# KiCad board omodri_sa_v2_laas.kicad_pcb (continued)
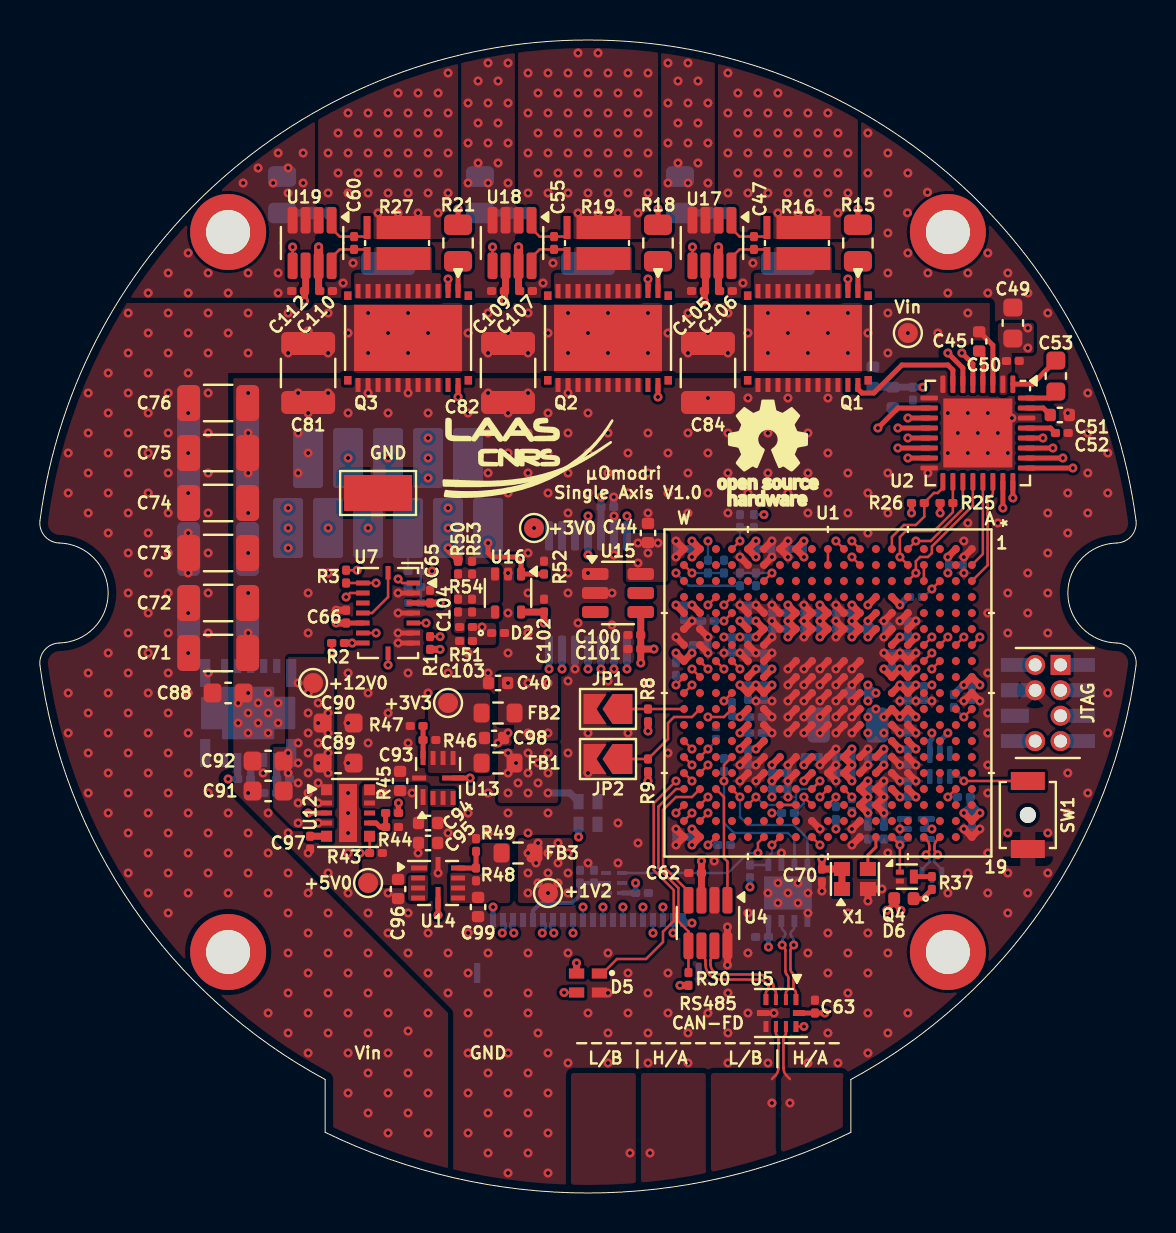
[diagram p0: board, top side]
## Routing (per net, layer and track width the routed paths; a pad name or vN(x,y) marks a point on that pad's centre or on a via; arc(x,y) is an arc through that point) (continued)
VPOWER: length 2.9
  Top w0.25: U2.3 47.66,42.39 46.99,43.06 C45.1
  vias: v1(1.41,37) v1(1.41,35) v1(1.41,25) v1(1.41,23) v1(2.41,40) v1(2.41,38) v1(2.41,36) v1(2.41,34) v1(2.41,26) v1(2.41,24) v1(2.41,22) v1(2.41,20) v1(3.41,41) v1(3.41,39) v1(3.41,37) v1(3.41,35) v1(3.41,33) v1(3.41,27) v1(3.41,25) v1(3.41,23) v1(3.41,21) v1(3.41,19) v1(4.41,44) v1(4.41,42) v1(4.41,40) v1(4.41,38) v1(4.41,36) v1(4.41,34) v1(4.41,32) v1(4.41,30) v1(4.41,28) v1(4.41,26) v1(4.41,24) v1(4.41,22) v1(4.41,20) v1(4.41,18) v1(4.41,16) v1(5.41,43) v1(5.41,41) v1(5.41,39) v1(5.41,37) v1(5.41,35) v1(5.41,33) v1(5.41,31) v1(5.41,29) v1(5.41,27) v1(5.41,25) v1(5.41,23) v1(5.41,21) v1(5.41,19) v1(5.41,17) v1(5.41,15) v1(6.41,44) v1(6.41,42) v1(6.41,40) v1(6.41,38) v1(6.41,36) v1(6.41,34) v1(6.41,32) v1(6.41,30) v1(6.41,28) v1(6.41,26) v1(6.41,24) v1(6.41,22) v1(6.41,20) v1(6.41,18) v1(6.41,16) v1(6.41,14) v1(7.41,43) v1(7.41,41) v1(7.41,39) v1(7.41,37) v1(7.41,35) v1(7.41,33) v1(7.41,31) v1(7.41,29) v1(7.41,27) v1(7.41,25) v1(7.41,23) v1(7.41,21) v1(7.41,19) v1(7.41,17) v1(7.41,15) v1(8.41,44) v1(8.41,42) v1(8.41,40) v1(8.41,38) v1(8.41,36) v1(8.41,34) v1(8.41,32) v1(8.41,30) v1(8.41,28) v1(8.41,26) v1(8.41,20) v1(8.41,18) v1(8.41,16) v1(9.41,43) v1(9.41,19) v1(9.41,17) v1(9.41,15) v1(10.41,44) v1(10.41,42) v1(10.41,18) v1(10.41,16) v1(11.41,17) v1(11.41,15) v1(11.41,9) v1(12.41,44) v1(12.41,42) v1(12.41,16) v1(12.41,14) v1(12.41,12) v1(12.41,10) v1(12.41,8) v1(13.41,43.1) v1(13.41,15) v1(13.41,13) v1(13.41,11) v1(13.41,9) v1(13.41,7) v1(14.41,44) v1(14.41,42) v1(14.41,14) v1(14.41,12) v1(14.41,10) v1(14.41,8) v1(15.41,43) v1(15.41,13) v1(15.41,11) v1(15.41,9) v1(15.41,7) v1(15.41,5) v1(16.41,44) v1(16.41,42) v1(16.41,12) v1(16.41,10) v1(16.41,8) v1(16.41,6) v1(16.41,4) v1(17.41,43) v1(17.41,11) v1(17.41,9) v1(17.41,7) v1(17.41,5) v1(17.41,3) v1(18.41,44) v1(18.41,42) v1(18.41,8.1) v1(18.41,6) v1(18.41,4) v1(19.41,43) v1(19.41,9) v1(19.41,7) v1(19.41,5) v1(19.41,3) v1(21.41,43) v1(22.41,44) v1(22.41,42) v1(23.41,43) v1(24.41,44) v1(24.41,42) v1(25.41,43) v1(26.41,44) v1(26.41,42) v1(27.41,43) v1(28.41,44) v1(28.41,42) v1(30.41,44) v1(30.41,42) v1(31.41,43) v1(32.41,44) v1(32.41,42) v1(33.41,43) v1(34.41,44) v1(34.41,42) v1(35.41,43) v1(36.41,44) v1(36.41,42) v1(37.41,43) v1(38.41,44) v1(38.41,42) v1(39.41,43) v1(40.41,44) v1(40.41,42) v1(41.41,43) v1(42.41,44) v1(42.41,42) v1(43.41,43) v1(44.91,43) v1(46.41,44)
Net-(C46-Pad1): length 1.4
  Bottom w0.35: C46.1 R17.2
Net-(C54-Pad1): length 1.4
  Bottom w0.35: C54.1 R20.2
Net-(C56-Pad1): length 1.4
  Bottom w0.35: C56.1 R28.2
Net-(D6-K): length 1.1
  Top w0.25: R37.1 44.15,14.72 43.7,14.72
Net-(Q4-D): length 0.9
  Top w0.25: Q4.3 R37.2
Net-(U7-INT1): length 2.8
  Top w0.125: U7.12 16.61,29 17.41,29.8 U7.16
Net-(U12-SS/TR): length 0.8
  Top w0.35: U12.5 C97.1

## Copper pours and planes (outline as drawn; the poured copper is in the pictures)
5V0 on Top: 19.41,20.4 19.41,15.4 16.11,15.4 16.11,20.4
12V0 on Top: 47.91,43.5 49.71,43.5 49.71,42 48.61,42 48.61,39.9 47.91,39.9
12V0 on Top: 14.71,26.8 14.71,18.25 12.66,18.25 11.66,19.25 11.66,22.3 12.41,22.3 12.41,26.8
12V0 on Bottom: 14.71,26.8 14.71,18.2 12.81,18.2 12.11,18.9 12.11,26.8
/OMODRI_SA_POWER/OMODRI_SA_Alim_1V2/1V2 on Top: 20.51,14.5 20.51,16.3 21.81,16.3 21.81,17.5 23.51,17.5 23.51,14.5
/OMODRI_SA_POWER/OMODRI_SA_Alim_3V3/3V3 on Top: 19.41,21 19.41,25 22.51,25 22.51,21
GND on Top, Bottom, In1_GND.Cu, In2_sig.Cu, In3_GND.Cu, In4_sig.Cu, In6_GND.Cu: -2.59,60 57.41,60 57.41,0 -2.59,0
VDD_1V2 on Top: 23.91,17.75 26.66,17.75 26.66,14.5 23.91,14.5
VDD_1V2 on In5_PWR.Cu: 30.91,22.65 35.36,22.65 35.36,25 34.61,25 34.61,25.8 37.41,25.8 38.21,26.6 38.21,30 39.81,30 39.81,27 44.41,27 44.41,25.8 42.71,25.8 42.71,24.6 44.91,24.6 44.91,22.5 42.61,22.5 42.61,20.9 41.01,20.9 41.01,20.2 40.21,20.2 40.21,21.7 36.31,21.7 36.31,18.5 31.41,18.5 27.41,14.5 23.91,14.5 23.91,17.5 26.41,20 30.91,20
VDD_3V3 on Top: 22.91,22.2 23.71,22.2 23.71,22.5 25.91,22.5 25.91,19.5 22.91,19.5
VDD_3V3 on In5_PWR.Cu: -2.59,60 57.41,60 57.41,0 -2.59,0
VDDA_3V3 on Top: 22.91,23.4 22.91,26 25.91,26 25.91,22.5 23.71,22.5 23.71,23.4
VDDA_3V3 on In5_PWR.Cu: 29.41,29.4 36.21,29.4 36.21,27.4 31.11,27.4 31.11,24 29.41,24 29.41,22.5 23.71,22.5 23.71,23.4 22.91,23.4 22.91,27.5 29.41,27.5
/OMODRI_SA_CAN_RS485/CAN_RS485_N on Top, Bottom: 30.06,6 26.56,6 26.56,0 30.06,0
/OMODRI_SA_CAN_RS485/CAN_RS485_N on Top, Bottom: 37.06,6 33.56,6 33.56,0 37.06,0
/OMODRI_SA_CAN_RS485/CAN_RS485_P on Top, Bottom: 33.56,6 30.06,6 30.06,0 33.56,0
/OMODRI_SA_CAN_RS485/CAN_RS485_P on Top, Bottom: 40.56,6 37.06,6 37.06,0 40.56,0
/OMODRI_SA_MCU/Vthermistor on Top: 21.41,28.5 21.41,27.4 22.81,27.4 22.81,28.5
/OMODRI_SA_MOTOR_DRIVER/MOTOR_CH1_BRIDGE on Top: 35.71,46 36.71,46 36.71,47.3 39.61,47.3 39.61,46 40.11,46 40.11,44.7 35.71,44.7
/OMODRI_SA_MOTOR_DRIVER/MOTOR_CH1_OUT on Top, Bottom: 33.91,60 40.91,60 40.91,47.7 33.91,47.7
/OMODRI_SA_MOTOR_DRIVER/MOTOR_CH2_BRIDGE on Top: 25.71,46 26.71,46 26.71,47.3 29.61,47.3 29.61,46 30.11,46 30.11,44.7 25.71,44.7
/OMODRI_SA_MOTOR_DRIVER/MOTOR_CH2_OUT on Top, Bottom: 23.91,60 30.91,60 30.91,47.7 23.91,47.7
/OMODRI_SA_MOTOR_DRIVER/MOTOR_CH3_BRIDGE on Top: 15.71,46 16.71,46 16.71,47.3 19.61,47.3 19.61,46 20.11,46 20.11,44.7 15.71,44.7
/OMODRI_SA_MOTOR_DRIVER/MOTOR_CH3_OUT on Top, Bottom: 13.91,60 20.91,60 20.91,47.7 13.91,47.7
/OMODRI_SA_POWER/OMODRI_SA_Alim_1V2/SW on Top: 18.41,14.6 18.41,15.9 19.41,15.9 19.41,14.6
/OMODRI_SA_POWER/OMODRI_SA_Alim_3V3/SW on Top: 19.51,20.2 20.81,20.2 20.81,19.3 19.51,19.3
/OMODRI_SA_THERMISTOR/AMP_V- on Top: 20.71,31.3 23.01,31.3 23.01,29.4 20.71,29.4
/OMODRI_SA_THERMISTOR/AMP_Vout on Top: 20.71,29.4 23.01,29.4 23.01,28.7 21.31,28.7 21.31,28 20.71,28
REF_3V0_BUF on Top: 29.31,33 29.31,30.55 31.41,30.55 31.41,33
REF_3V0_BUF on In5_PWR.Cu: 29.41,33.2 29.41,29.05 36.21,29.05 36.21,33.2
VPOWER on Top: 47.51,44.5 47.51,40.5 46.41,40.5 46.41,41 9.41,41 9.41,20 20.41,9 20.41,0 -2.59,0 -2.59,44.5
VPOWER on Bottom: 47.91,44.5 47.91,41 9.41,41 9.41,25.75 8.66,25.75 8.66,25 7.91,25 7.91,23 8.66,23 8.66,20.75 20.41,9 20.41,0 -2.59,0 -2.59,44.5
VPOWER on In4_sig.Cu: 47.51,44.5 47.51,41 9.41,41 9.41,20 20.41,9 20.41,0 -2.59,0 -2.59,44.5

## Text on the board
B.Silkscreen: Ph_C | Vin | GND | Ph_B | H/A | L/B | Ph_A | RS485 / CAN-FD / ------------------ | ENC2_ / MISO | ENC2_ / CS | Analog_ / GND / Analog_ / +3V3 | +5V0 | ENC2_SCLK / ENC2_MOSI | Analog_in | Thermistor_in / Thermistor_out | DEBUG / 2 - DBG_3 / 3 - DBG_2 / 4 - DBG_1 / 5 - DBG_0 | SUPPLY / 1                - +3V3 / 20               - +5V0 / 6, 8, 10, 13, 17 - GND | COM_SPI / 7 - SOMI / 9 - SCLK / 11 - CS\ / 12 - SIMO | USB / 14 - USB_N / 15 - USB_P / 16 - USB_5V0 | CAN/RS485 / 18 - CAN/RS485_P / 19 - CAN/RS485_N
F.Silkscreen: +5V0 | +12V0 | Vin | GND | +3V3 | +3V0 | +1V2 | µOmodri / Single Axis V1.0 | L/B | H/A | RS485 / CAN-FD / ------------------ | JTAG
